# Altium PCB base-32-bit.PcbDoc (part 2 of 3)
Units mil, origin at the board's own origin, x right, y up, seen from the top; angles counter-clockwise.
Board outline 1400 x 1750 mil, 6 copper layers (TOP01, GND02, SIG03, SIG04, PWR05, BOTT06), stack 52.421 mil thick; 71 components, 133 nets, 544 pads, 405 vias.
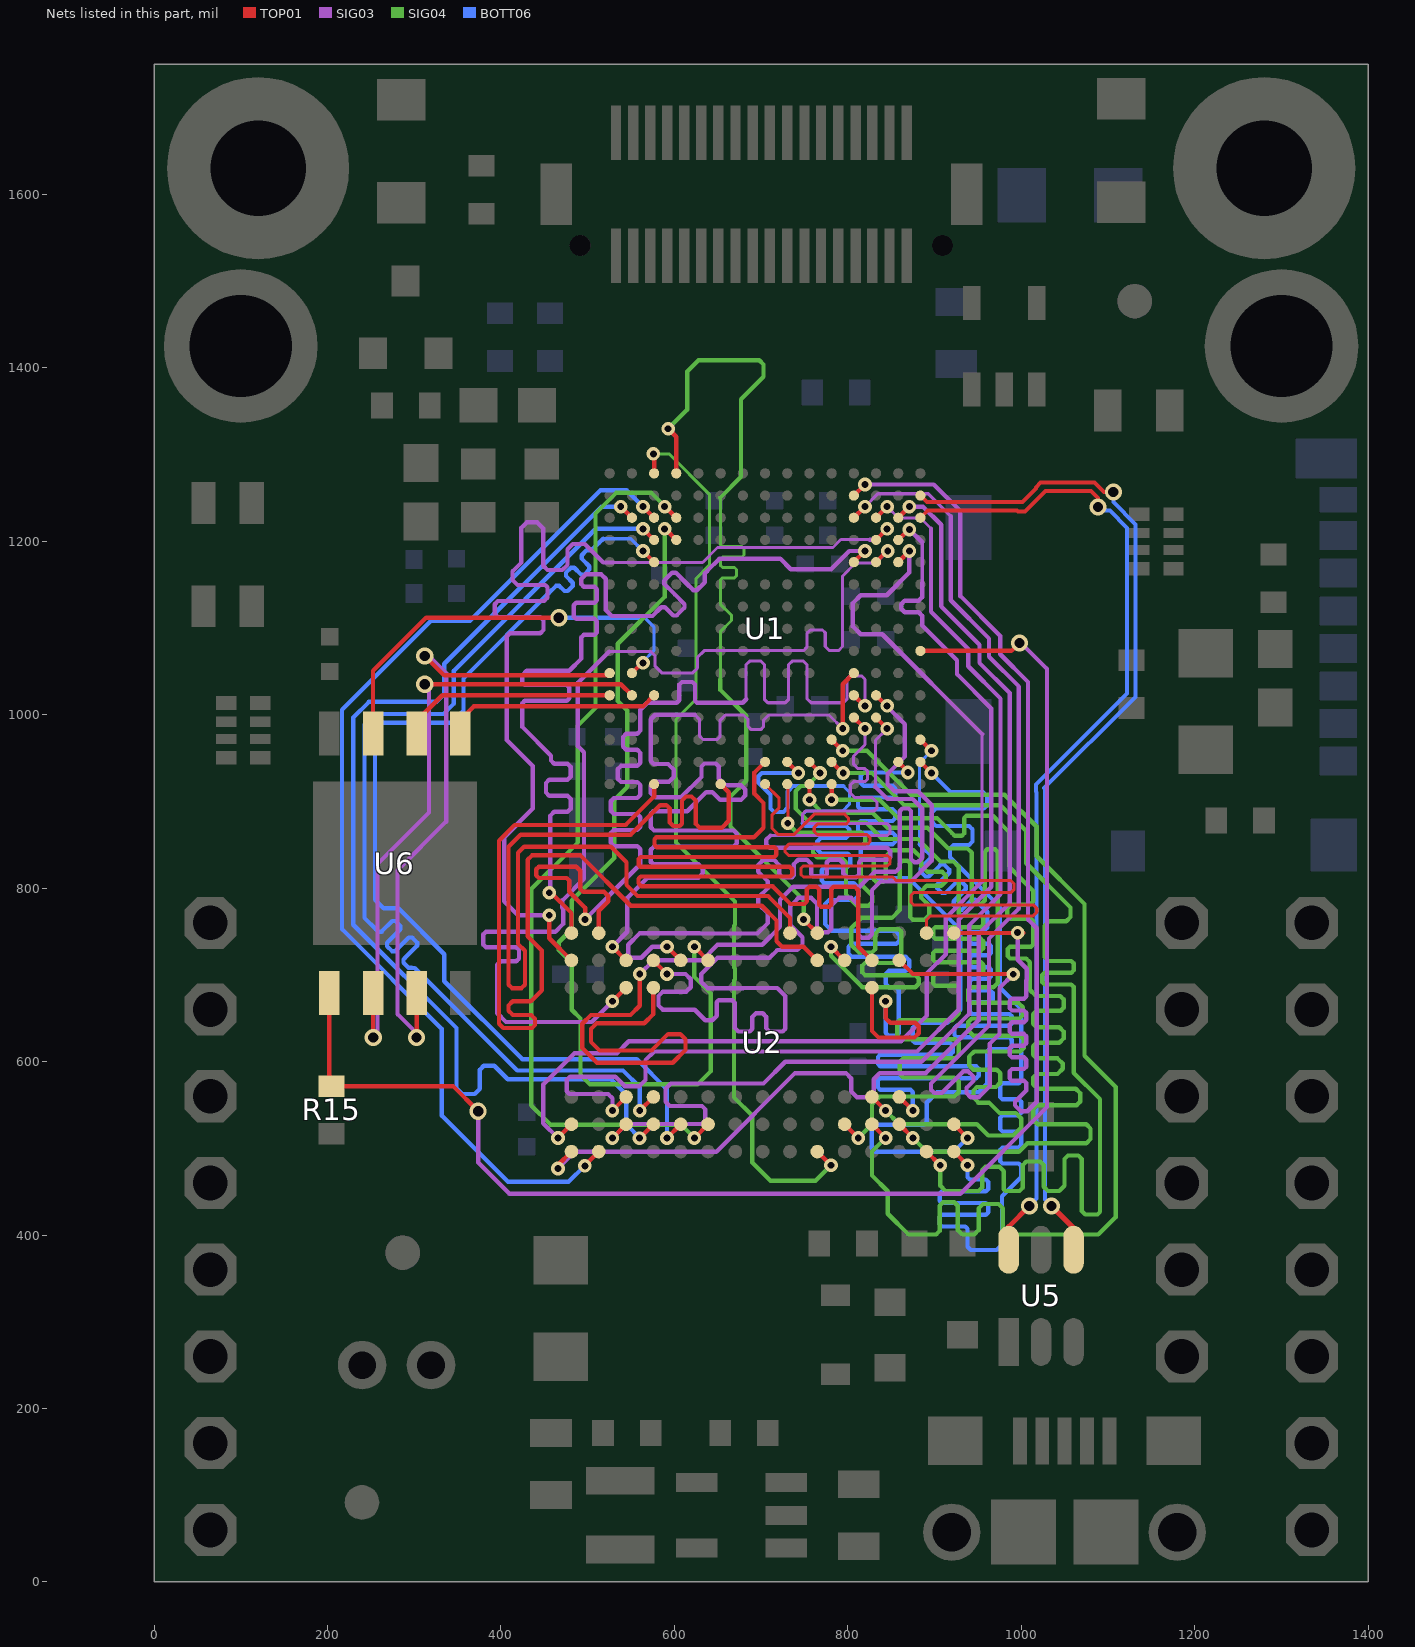
[diagram p6: the nets of this part, all layers, seen from the top]

## Via types
v1: diameter 15.75, hole 7.87, TOP01 to BOTT06, tented both sides, 184 vias
v2: diameter 19.68, hole 11.81, TOP01 to BOTT06, tented both sides, 168 vias
v3: diameter 23.62, hole 15.75, TOP01 to BOTT06, tented both sides, 37 vias
v4: diameter 18/18/18/18 (per signal layer), hole 10, TOP01 to BOTT06, tented both sides, 16 vias

## Nets (pads, with @x,y where several pads share a name; then routed paths per layer and width w, separated by ;. In a path a pad name is that pad's centre, name@x,y a point inside that pad or via, vN(x,y) a via of type N, cw(c..) or ccw(c..) an arc to the next point about the centre after c; other vN are vias at no path point) (continued)
DRAM_D2: U1.B12 U2.R9 | length 1315.2
  TOP01 w5: U1.B12@806.9,1252.6 v1(819.69,1265.41) ; U2.R9@922.24,748.19 1002.26,748.19 1001.76,748.69 v1(995.76,748.69)
  SIG03 w5: v1(819.69,1265.41) 899.04,1265.41 929.76,1234.69 929.76,1136.69 975.76,1090.69 975.76,1069.69 1007.76,1037.69 1007.76,763.69 1017.76,753.69 1017.76,553.69 1006.76,542.69 999.53,542.69 992.76,549.46 992.76,553.69 1005.76,566.69 1005.76,575.21 1003.06,577.91 989.21,577.91 986.51,580.61 986.51,588.71 989.21,591.41 1003.06,591.41 1005.76,594.11 1005.76,602.21 1003.06,604.91 989.21,604.91 986.51,607.62 986.51,615.72 989.21,618.42 1003.06,618.42 1005.76,621.12 1005.76,629.22 1003.06,631.92 989.21,631.92 986.51,634.62 986.51,642.73 989.21,645.43 1003.06,645.43 1005.76,648.13 1005.76,656.23 1003.06,658.93 989.21,658.93 986.51,661.63 986.51,669.73 989.21,672.43 1003.06,672.43 1005.76,675.14 1005.76,685.94 1005.76,692.69 1005.76,693.95 1006.13,694.32 1006.13,707.06 995.76,717.43 v1(995.76,748.69)
DRAM_D3: U1.C12 U2.N8 | length 1267.1
  TOP01 w5: U1.C12@806.9,1227.01 v1(819.7,1239.81) ; U2.N8@859.25,716.69 874.99,700.95 v1@989.76,700.95
  SIG03 w3.5: v1(819.7,1239.81) 834.58,1254.69 892.76,1254.69 918.63,1228.82
  SIG03 w5: 918.63,1228.82 918.63,1131.82 962.76,1087.69 962.76,1066.69 997.16,1032.29 997.16,776.34 962.76,741.94 962.76,641.69 895.76,574.69 895.76,567.69 899.76,563.69 908.16,563.69 933.16,588.69 938.76,588.69 944.76,582.69 944.76,577.69 936.76,569.69 936.76,563.69 941.76,558.69 950.76,558.69 963.76,571.69 963.76,620.69 974.76,631.69 974.76,684.69 v1(990.76,700.69)
DRAM_D4: U1.R8 U2.P9 | length 1320.1
  TOP01 w3.5: U1.R8@704.53,919.92 720.76,903.69 720.76,892.69 712.76,884.69 712.76,868.69 719.89,861.56 737.63,861.56 761.76,885.69 795.76,885.69 800.76,880.69 800.76,876.69 797.76,873.69 764.76,873.69 761.26,870.19 761.26,865.19 764.76,861.69 821.76,861.69 825.76,857.69 825.76,853.69 822.76,850.69 732,850.69 727.76,846.45 727.76,841.69 731.76,837.69 845.76,837.69 848.76,834.69 848.76,828.69 845.76,825.69 748.76,825.69 745.76,822.69 745.76,815.69 748.76,812.69 851.76,812.69 855.76,808.69 987.76,808.69 991.76,804.69 991.76,798.69 987.76,794.69 875.76,794.69 872.76,791.69 872.76,783.69 875.76,780.69 1013.76,780.69 1017.76,776.69 1017.76,772.19 1013.26,767.69 894.76,767.69 890.75,763.68 U2.P9@890.75,748.19
DRAM_D5: U1.P8 U2.M8 | length 1317.8
  TOP01 w5: U1.P8@704.54,945.51 692.23,933.2 692.23,908.7 702.76,898.18 702.76,869.69 691.51,858.44 579.11,858.44 577.06,856.38 577.06,849.89 579.76,847.19 715.01,847.19 717.35,844.85 717.35,838.28 715.01,835.94 561.23,835.94 558.76,833.47 558.76,826.63 560.7,824.69 732.76,824.69 735.76,821.69 735.76,815.69 733.51,813.44 561.23,813.44 558.53,810.74 558.53,805.42 561.76,802.19 713.26,802.19 733.76,781.69 749.76,781.69 752.76,784.69 752.76,798.69 755.76,801.69 763.76,801.69 767.02,798.43 767.02,780.69 769.02,778.69 778.76,778.69 780.76,780.69 780.76,798.69 783.76,801.69 807.76,801.69 812.01,797.44 812.01,732.44 U2.M8@827.76,716.69
DRAM_D6: U1.P9 U2.M7 | length 1232.7
  TOP01 w5: U1.P9@730.13,945.51 v1(742.94,932.72) ; U2.M7@827.76,685.2 827.76,635.19 835.26,627.69 876.76,627.69 881.76,632.69 881.76,640.69 877.76,644.69 848.76,644.69 843.51,649.94 v1(843.51,669.45)
  BOTT06 w3.5: 747.76,874.69 747.76,884.69 751.76,888.69 793.76,888.69 801.76,896.69 801.76,910.69 794.76,917.69
  BOTT06 w5: v1(742.94,932.72) 700.79,932.72 696.76,928.69 696.76,921.69 710.76,907.69 710.76,891.69 714.76,887.69 725.2,887.69 725.32,887.82 725.81,887.82 730.76,892.76 730.76,911.69 736.76,917.69 794.76,917.69 ; 747.76,874.69 750.76,871.69 797.76,871.69 801.76,867.69 801.76,861.69 797.76,857.69 768.76,857.69 764.76,853.69 764.76,844.69 769.76,839.69 799.76,839.69 802.76,836.69 802.76,827.69 798.76,823.69 772.76,823.69 769.76,820.69 769.76,808.69 772.76,805.69 806.76,805.69 812.04,800.41 812.04,790.97 807.32,786.25 778.32,786.25 773.76,781.69 773.76,758.69 781.76,750.69 854.76,750.69 859.76,745.69 859.76,739.69 855.76,735.69 804.01,735.69 800.76,732.44 800.76,724.69 804.76,720.69 866.76,720.69 870.76,716.69 870.76,708.69 866.76,704.69 847.51,704.69 843.51,700.69 843.51,689.69 847.51,685.69 855.76,685.69 858.76,682.69 858.76,632.69 855.76,629.69 846.94,629.69 843.51,633.12 v1(843.51,669.45)
DRAM_D7: U1.R9 U2.L8 | length 1266.9
  TOP01 w3.5: v1(730.76,874.69) U1.R9@730.76,919.28
  TOP01 w5: U1.R9@730.12,919.92 U1.R9@730.76,919.28 ; v1(780.51,732.44) U2.L8@796.26,716.69
  SIG04 w5: v1(730.76,874.69) 741.76,863.69 816.02,863.69 820.02,859.69 820.02,851.95 817.76,849.69 763.76,849.69 759.76,845.69 759.76,840.69 764.76,835.69 791.76,835.69 797.76,829.69 797.76,792.69 810.76,779.69 823.76,779.69 828.13,784.06 828.13,791.32 814.76,804.69 814.76,832.69 817.76,835.69 827.76,835.69 829.76,833.69 829.76,810.21 832.89,807.08 841.15,807.08 843.5,809.43 843.5,836.43 850.76,843.69 875.76,843.69 884.76,834.69 884.76,825.69 891.76,818.69 908.76,818.69 912.76,814.69 912.76,807.69 907.76,802.69 890.76,802.69 884.76,796.69 884.76,788.69 893.76,779.69 893.76,768.69 888.76,763.69 874.76,763.69 871.76,766.69 871.76,828.69 868.76,831.69 862.76,831.69 859.76,828.69 859.76,774.69 850.76,765.69 815.76,765.69 803.76,753.69 803.76,734.69 812.76,725.69 827.76,725.69 831.76,729.69 831.76,747.69 836.76,752.69 858.76,752.69 861.39,750.06 861.39,720.32 854.76,713.69 819.76,713.69 816.76,710.69 816.76,702.69 819.76,699.69 877.76,699.69 881.76,695.69 881.76,689.69 877.76,685.69 816.76,685.69 780.51,721.94 v1(780.51,732.44)
DRAM_D8: U1.P10 U2.L2 | length 1305.5
  TOP01 w5: U1.P10@755.72,945.51 v1@768.53,932.72 ; U2.L2@796.26,527.72 v1@812.01,511.97
  SIG04 w5: v1(767.83,932.72) 752.81,917.69 745.76,917.69 739.76,911.69 739.76,891.69 755.76,875.69 820.76,875.69 839.76,856.69 880.76,856.69 906.76,830.69 921.76,830.69 927.76,824.69 927.76,771.17 930.46,768.47 953.51,768.47 956.21,765.76 956.21,757.66 953.51,754.96 927.76,754.96 901.01,754.96 898.31,752.26 898.31,744.16 901.01,741.46 927.76,741.46 953.51,741.46 956.21,738.76 956.21,730.65 953.51,727.95 927.76,727.95 901.01,727.95 898.31,725.25 898.31,717.15 901.01,714.45 927.76,714.45 953.51,714.45 956.21,711.75 956.21,703.65 953.51,700.95 927.76,700.95 901.01,700.95 898.31,698.24 898.31,690.14 901.01,687.44 925.06,687.44 927.76,684.74 927.76,680.69 927.76,655.69 919.76,647.69 859.76,647.69 856.76,644.69 856.76,630.69 861.76,625.69 923.76,625.69 927.76,621.69 927.76,607.69 923.76,603.69 863.76,603.69 859.76,599.69 859.76,585.69 863.76,581.69 922.76,581.69 927.76,576.69 927.76,564.69 922.76,559.69 836.76,559.69 827.76,550.69 827.76,527.72 v1(812.01,511.97)
DRAM_D9: U1.R10 U2.M3 | length 1248.5
  TOP01 w5: v1(755.73,901.82) U1.R10@755.72,919.92 ; U2.M3@827.76,559.21 v1(843.5,543.46)
  SIG04 w5: v1(755.73,901.82) 770.86,886.69 828.76,886.69 845.76,869.69 891.76,869.69 915.76,845.69 937.99,845.69 942.76,840.92 942.76,785.69 946.76,781.69 953.76,781.69 957.76,785.69 957.76,841.69 960.76,844.69 969.76,844.69 972.76,841.69 972.76,690.69 967.76,685.69 941.76,685.69 938.76,682.69 938.76,670.45 941.52,667.69 996.76,667.69 1001.76,662.69 1001.76,653.69 997.76,649.69 942.76,649.69 938.76,645.69 938.76,635.69 944.76,629.69 998.76,629.69 1002.76,625.69 1002.76,615.69 998.76,611.69 945.76,611.69 939.76,605.69 939.76,595.69 944.76,590.69 971.76,590.69 975.76,586.69 975.76,575.69 970.76,570.69 948.76,570.69 944.76,566.69 944.76,558.43 950.5,552.69 962.76,552.69 974.76,540.69 993.76,540.69 999.76,534.69 999.76,523.69 990.76,514.69 961.76,514.69 948.76,527.69 859.27,527.69 v1(843.5,543.46)
DRAM_D10: U1.N11 U2.M2 | length 1292.8
  TOP01 w5: U1.N11@781.29,971.1 v1(794.09,958.3) ; U2.M2@827.76,527.72 v1(843.5,511.97)
  SIG04 w5: v1(794.09,958.3) 822.15,958.3 872.76,907.69 980.76,907.69 1017.76,870.69 1017.76,836.69 1072.76,781.69 1072.76,619.69 1072.76,614.14 1072.76,606.69 1108.76,570.69 1108.76,420.69 1088.76,400.69 983.76,400.69 978.76,405.69 978.76,430.69 973.76,435.69 955.76,435.69 950.76,430.69 950.76,405.69 945.76,400.69 931.76,400.69 926.76,405.69 926.76,433.69 922.76,437.69 909.76,437.69 905.76,433.69 905.76,404.69 901.76,400.69 869.76,400.69 845.94,424.51 845.94,450.51 827.76,468.69 827.76,496.23 v1(843.5,511.97)
DRAM_D11: U1.P11 U2.P1 | length 1286.7
  TOP01 w5: U1.P11@781.31,945.51 794.12,932.72 v1(794.78,932.72) ; U2.P1@890.75,496.22 v1(906.49,480.47)
  SIG04 w5: v1(794.78,932.72) 827.73,932.72 864.76,895.69 975.76,895.69 1005.76,865.69 1005.76,828.69 1056.76,777.69 1056.76,766.69 1051.76,761.69 1031.76,761.69 1026.76,756.69 1026.76,720.64 1031.46,715.94 1057.59,715.94 1060.29,713.24 1060.29,705.14 1057.59,702.43 1028.76,702.43 1026.93,702.43 1024.22,699.73 1024.22,691.63 1026.93,688.93 1028.76,688.93 1057.59,688.93 1060.29,686.23 1060.29,587.16 1090.76,556.69 1090.76,426.69 1087.76,423.69 1073.76,423.69 1069.76,427.69 1069.76,487.69 1065.76,491.69 1053.76,491.69 1049.76,487.69 1049.76,456.77 1043.76,450.77 1030.68,450.77 1025.76,455.69 1025.76,480.69 1021.76,484.69 1005.76,484.69 1001.76,480.69 1001.76,454.69 997.84,450.77 981.68,450.77 979.76,452.69 979.76,473.69 974.76,478.69 958.76,478.69 954.76,474.69 954.76,454.77 950.76,450.77 912.68,450.77 906.49,456.96 v1(906.49,480.47)
DRAM_D12: U1.R11 U2.N2 | length 1308.5
  TOP01 w5: v1(781.32,901.82) U1.R11@781.31,919.92 ; U2.N2@859.25,527.72 v1(875,511.97)
  SIG04 w5: v1(781.32,901.82) 836.63,901.82 857.76,880.69 902.8,880.69 920.5,862.99 923.2,860.29 931.3,860.29 934,862.99 934,880.69 936.7,883.39 944.8,883.39 967.06,883.39 985.76,864.69 985.76,824.69 1013.76,796.69 1013.76,784.69 1009.76,780.69 987.76,780.69 983.76,776.69 983.76,768.69 987.76,764.69 1010.76,764.69 1013.76,761.69 1013.76,752.69 1013.76,745.94 1013.76,735.13 1011.06,732.43 986.96,732.43 984.26,729.73 984.26,721.63 986.96,718.93 1005.52,718.93 1009.76,714.69 1009.76,682.69 1016.76,675.69 1044.76,675.69 1048.76,671.69 1048.76,662 1045.45,658.69 1017.76,658.69 1013.76,654.69 1013.76,643.69 1017.76,639.69 1043.76,639.69 1048.76,634.69 1048.76,626.69 1043.76,621.69 1017.76,621.69 1013.76,617.69 1013.76,607.69 1017.76,603.69 1041.76,603.69 1047.76,597.69 1047.76,591.69 1041.76,585.69 1017.76,585.69 1013.76,581.69 1013.76,573.69 1018.76,568.69 1062.76,568.69 1067.76,563.69 1067.76,553.69 1063.76,549.69 1017.76,549.69 1013.76,545.69 1013.76,532.69 1018.76,527.69 1074.76,527.69 1079.76,522.69 1079.76,510.69 1074.76,505.69 1006.76,505.69 996.91,495.84 891.13,495.84 v1(875,511.97)
DRAM_D13: U1.P15 U2.R1 | length 1270.6
  TOP01 w5: U1.P15@883.67,945.51 v1(896.45,932.71) ; U2.R1@922.24,496.22 v1(937.99,480.47)
  BOTT06 w5: v1(896.45,932.71) 918.48,910.69 955.76,910.69 960.76,905.69 960.76,895.69 956.76,891.69 901.45,891.69 896.45,886.69 896.45,877 901.76,871.69 939.76,871.69 943.76,867.69 943.76,853.68 939.77,849.69 921.76,849.69 917.76,845.69 917.76,835.69 975.39,778.06 975.39,685.06 999.76,660.69 999.76,602.69 999.76,593.44 999.76,577.72 996.99,574.94 978.29,574.94 975.51,572.16 975.51,559.22 978.29,556.44 996.99,556.44 999.76,553.66 999.76,540.72 996.99,537.94 978.29,537.94 975.51,535.16 975.51,522.22 978.29,519.44 996.99,519.44 999.76,516.66 999.76,503.72 996.99,500.94 978.29,500.94 975.51,498.16 975.51,485.22 978.29,482.44 996.99,482.44 999.76,479.66 999.76,466.69 977.76,444.69 977.76,388.69 971.76,382.69 941.76,382.69 937.99,386.46 937.99,398.69 937.99,407.22 935.29,409.92 908.46,409.92 905.76,412.62 905.76,420.73 908.46,423.43 937.99,423.43 959.17,423.43 961.87,426.13 961.87,434.23 959.17,436.93 937.99,436.93 908.46,436.93 905.76,439.63 905.76,447.73 908.46,450.43 937.99,450.43 959.17,450.43 961.87,453.14 961.87,461.24 959.17,463.94 940.69,463.94 937.99,466.64 937.99,470.69 v1(937.99,480.47)
DRAM_D14: U1.P14 U2.N3 | length 1219.7
  TOP01 w5: U1.P14@858.08,945.51 869.21,934.37 v1(869.21,933.23) ; U2.N3@859.25,559.21 v1(875,543.46)
  BOTT06 w5: v1(869.21,933.23) 818.3,933.23 814.76,929.69 814.76,924.69 814.76,921.31 818.14,917.94 851.42,917.94 854.79,914.56 854.79,907.81 851.42,904.43 814.76,904.43 811.76,901.43 811.76,893.93 814.76,890.93 851.42,890.93 854.79,887.55 854.79,880.8 851.42,877.43 814.76,877.43 811.76,874.42 811.76,866.92 814.76,863.92 851.42,863.92 854.79,860.55 854.79,853.79 851.42,850.42 818.14,850.42 814.76,847.04 814.76,826.69 814.76,814.69 817.76,811.69 869.76,811.69 929.76,751.69 929.76,659.69 914.76,644.69 880.76,644.69 875,638.93 875,636.69 875,634.96 875,624.16 877.7,621.46 918.04,621.46 920.74,618.76 920.74,610.65 918.04,607.95 875,607.95 837.41,607.95 834.71,605.25 834.71,597.15 837.41,594.45 875,594.45 948.06,594.45 950.76,591.75 950.76,583.65 948.06,580.95 875,580.95 837.41,580.95 834.71,578.24 834.71,570.14 837.41,567.44 872.3,567.44 875,564.74 875,560.69 v1(875,543.46)
DRAM_D15: U1.N15 U2.R2 | length 1239.3
  TOP01 w5: U1.N15@883.67,971.1 v1(896.45,958.3) ; U2.R2@922.24,527.72 v1(937.99,511.97)
  BOTT06 w3.5: 882.83,850.62 882.83,944.68 v1(896.45,958.3)
  BOTT06 w5: 882.83,850.62 887.61,845.84 895.24,838.21 895.24,834.39 883.78,822.92 883.78,819.1 889.51,813.37 893.33,813.37 906.7,826.75 907.18,827.23 911,827.23 916.73,821.5 916.73,817.68 916.25,817.2 902.88,803.83 902.88,800.01 908.61,794.28 912.43,794.28 925.8,807.65 926.28,808.13 930.1,808.13 935.83,802.4 935.83,798.58 935.35,798.1 921.98,784.73 921.98,780.91 927.7,775.18 931.52,775.18 942.99,786.64 946.81,786.64 953.76,779.69 960.76,772.69 960.76,754.43 955.76,749.43 943.2,749.43 940.5,746.73 940.5,738.63 943.2,735.93 960.76,735.93 962.32,735.93 965.02,733.23 965.02,725.13 962.32,722.43 960.76,722.43 943.2,722.43 940.5,719.73 940.5,711.62 943.2,708.92 960.76,708.92 962.32,708.92 965.02,706.22 965.02,698.12 962.32,695.42 960.76,695.42 943.2,695.42 940.5,692.72 940.5,684.62 943.2,681.91 960.76,681.91 964.32,681.91 967.02,679.21 967.02,671.11 964.32,668.41 960.76,668.41 943.2,668.41 940.5,665.71 940.5,657.61 943.2,654.91 960.76,654.91 986.32,654.91 989.02,652.21 989.02,644.1 986.32,641.4 960.76,641.4 925.73,641.4 923.03,638.7 923.03,630.6 925.73,627.9 960.76,627.9 986.32,627.9 989.02,625.2 989.02,617.1 986.32,614.4 963.46,614.4 960.76,611.69 960.76,595.89 960.76,574.69 950.76,564.69 902.76,564.69 891.12,553.05 891.12,531.05 887.41,527.34 832.41,527.34 827.38,522.31 827.38,500.07 831.61,495.84 921.86,495.84 v1(937.99,511.97)
DRAM_D16: U1.M12 U2.E8 | length 1265.4
  TOP01 w5: v1(591.53,732.44) U2.E8@607.28,716.69 ; U1.M12@806.9,996.69 v1(819.68,983.89)
  SIG03 w3.5: 710.76,860.69 845.76,860.69 848.76,863.69 848.76,870.69 844.76,874.69 750.02,874.69 747.76,876.95 747.76,885.44 751.01,888.69 829.76,888.69 833.76,892.69 833.76,898.69 827.76,904.69 807.76,904.69 802.76,909.69 802.76,918.77 806.68,922.69 819.76,922.69 822.76,925.69 822.76,934.61 819.68,937.69 811.76,937.69 806.76,942.69 806.76,952.42 819.68,965.34 v1(819.68,983.89)
  SIG03 w5: v1(591.53,732.44) 574.51,732.44 561.76,719.69 549.76,719.69 546.76,722.69 546.76,734.69 559.88,747.81 629.4,747.81 629.52,747.69 695.76,747.69 707.76,759.69 707.76,770.69 696.76,781.69 696.76,789.02 707.76,800.02 707.76,807.69 696.76,818.69 696.76,826.69 702.76,832.69 714.76,832.69 720.76,826.69 720.76,816.69 724.76,812.69 735.76,812.69 737.76,814.69 737.76,827.69 742.76,832.69 752.76,832.69 757.76,827.69 757.76,815.69 759.76,813.69 773.76,813.69 775.76,815.69 775.76,829.69 778.76,832.69 790.76,832.69 794.76,828.69 794.76,816.69 798.76,812.69 809.76,812.69 812.76,815.69 812.76,829.69 815.76,832.69 845.76,832.69 848.76,835.69 848.76,842.69 844.76,846.69 709.76,846.69 705.76,850.69 705.76,855.69 710.76,860.69
DRAM_D17: U1.M13 U2.D7 | length 1265.3
  TOP01 w5: v1(560.04,700.95) 560.04,664.28 549.45,653.69 503.76,653.69 493.76,643.69 493.76,615.69 510.76,598.69 598.18,598.69 612.76,613.27 612.76,625.69 606.76,631.69 592.76,631.69 573.76,612.69 513.76,612.69 503.76,622.69 503.76,637.69 510.13,644.06 565.13,644.06 575.79,654.72 U2.D7@575.79,685.2 ; U1.M13@832.49,996.69 v1(845.27,983.89)
  SIG03 w3.5: 831.76,916.69 831.76,970.38 v1(845.27,983.89)
  SIG03 w5: v1(560.04,700.95) 575.78,716.69 631.76,716.69 649.76,734.69 701.2,734.69 721.76,755.25 721.76,786.47 736.98,801.69 813.76,801.69 830.76,818.69 854.76,818.69 859.76,823.69 859.76,888.69 862.76,891.69 869.88,891.69 872.76,888.81 872.76,833.69 876.76,829.69 880.62,829.69 885.76,834.83 885.76,891.69 874.76,902.69 845.76,902.69 831.76,916.69
DRAM_D18: U1.L13 U2.D8 | length 1271.4
  TOP01 w5: U2.D8@575.79,716.69 v1(591.54,700.94) ; U1.L13@832.49,1022.28 844.62,1010.15 v1(845.29,1010.15)
  SIG03 w3.5: v1@845.29,1009.49 v1(845.29,1010.15)
  SIG03 w5: v1(591.54,700.94) 612.76,700.94 618.76,694.94 618.76,685.69 613.76,680.69 586.76,680.69 581.76,675.69 581.76,664.69 586.76,659.69 623.56,659.69 635.56,647.69 643.76,647.69 648.76,652.69 648.76,668.45 651,670.69 666.76,670.69 669.76,667.69 669.76,638.69 673.76,634.69 686.76,634.69 689.76,637.69 689.76,651.44 694.01,655.69 701.76,655.69 705.76,651.69 705.76,638.69 709.76,634.69 724.76,634.69 727.76,637.69 727.76,675.69 718.63,684.82 679.66,684.82 679.53,684.69 638.19,684.69 631.01,691.87 631.01,700.94 649.76,719.69 709.76,719.69 718.76,728.69 741.76,728.69 747.76,734.69 747.76,743.45 733.64,757.57 733.64,779.31 740.76,786.44 740.76,786.69 742.76,788.69 757.76,788.69 764.38,782.07 764.38,753.14 767.83,749.69 ; 767.83,749.07 777.14,749.07 780.89,752.82 780.89,779.82 789.76,788.69 803.76,788.69 811.76,780.69 811.76,746.69 815.76,742.69 823.76,742.69 827.76,746.69 827.76,797.69 837.76,807.69 872.76,807.69 896.76,831.69 896.76,895.69 880.76,911.69 853.76,911.69 845.76,919.69 845.76,931.69 865.76,951.69 865.76,989.01 v1@845.29,1009.49
DRAM_D19: U1.L12 U2.B9 | length 1272.7
  TOP01 w5: v1(497.05,763.94) 497.05,777.4 478.76,795.69 478.76,808.69 475.76,811.69 443.76,811.69 440.76,814.69 440.76,821.69 443.76,824.69 486.76,824.69 491.34,820.11 491.34,799.11 494.76,795.69 518.76,795.69 523.76,790.69 523.76,784.69 512.8,773.73 U2.B9@512.8,748.19 ; U1.L12@806.9,1022.28 819.03,1010.15 v1(819.7,1010.15)
  SIG03 w3.5: 682.76,1017.69 682.76,1057.69 686.76,1061.69 699.76,1061.69 703.76,1057.69 703.76,1017.69 707.76,1013.69 727.76,1013.69 731.76,1017.69 731.76,1057.69 735.76,1061.69 748.76,1061.69 752.76,1057.69 752.76,1018.69 757.76,1013.69 794.76,1013.69 798.76,1017.69 798.76,1040.69 802.76,1044.69 815.76,1044.69 819.7,1040.76 v1(819.7,1010.15)
  SIG03 w5: v1(497.05,763.94) 549.78,816.67 554.22,821.11 560.76,827.65 560.76,829.9 560.76,844.71 557.06,848.41 530.21,848.41 526.51,852.11 526.51,863.21 530.21,866.91 557.06,866.91 560.76,870.61 560.76,881.71 557.06,885.41 530.21,885.41 526.51,889.12 526.51,900.22 530.21,903.92 557.06,903.92 560.76,907.62 560.76,918.72 557.06,922.42 538.46,922.42 534.76,926.12 534.76,937.23 538.46,940.93 557.06,940.93 560.76,944.63 560.76,955.73 557.06,959.43 544.45,959.43 540.75,963.13 540.75,974.23 544.45,977.93 557.06,977.93 560.76,981.64 560.76,996.44 560.76,1005.69 568.76,1013.69 602.76,1013.69 605.76,1016.69 605.76,1034.69 608.76,1037.69 620.76,1037.69 623.76,1034.69 623.76,1015.96 626.03,1013.69 678.76,1013.69 682.76,1017.69
DRAM_D20: U1.K12 U2.C8 | length 1281.2
  TOP01 w5: v1(528.54,732.44) U2.C8@544.29,716.69 ; v1(794.1,983.89) 794.1,1035.06 U1.K12@806.9,1047.87
  SIG03 w3.5: 623.69,999.76 628.76,994.69 628.76,975.69 633.02,971.43 649.5,971.43 652.76,974.69 652.76,993.69 658.76,999.69 679.76,999.69 684.76,994.69 684.76,986.69 688.76,982.69 699.43,982.69 702.63,985.9 702.63,993.56 708.76,999.69 778.3,999.69 v1(794.1,983.89)
  SIG03 w5: v1(528.54,732.44) 545.76,749.66 545.76,788.69 568.76,811.69 627.76,811.69 632.76,816.69 632.76,822.69 627.76,827.69 575.76,827.69 572.76,830.69 ; 572.76,829.69 572.76,844.23 576.46,847.93 668.31,847.93 672.01,851.64 672.01,862.74 668.31,866.44 576.46,866.44 572.76,870.14 572.76,875.69 572.76,885.69 575.76,888.69 614.76,888.69 636.76,910.69 643.76,910.69 652.76,901.69 676.76,901.69 681.76,906.69 681.76,913.69 676.76,918.69 658.76,918.69 651.19,926.26 651.19,940.26 647.76,943.69 634.76,943.69 631.18,940.11 631.18,928.11 607.76,904.69 577.76,904.69 572.76,909.69 572.76,918.69 576.76,922.69 593.76,922.69 599.29,928.22 599.29,936.64 592.76,943.16 576.29,943.16 572.76,946.69 572.76,994.69 577.83,999.76 623.69,999.76
DRAM_D21: U1.E12 U2.A9 | length 1264.3
  TOP01 w5: v1@456.76,794.69 457.76,794.69 481.3,771.15 U2.A9@481.3,748.19 ; U1.E12@806.9,1175.83 v1(819.76,1188.69)
  SIG03 w5: v1@456.76,794.69 456.76,883.24 457.76,884.24 461.46,887.94 476.7,887.94 480.4,891.64 480.4,902.74 476.7,906.44 457.76,906.44 455.57,906.44 451.87,910.14 451.87,921.24 455.57,924.94 457.76,924.94 476.7,924.94 480.4,928.64 480.4,939.74 476.7,943.44 461.46,943.44 457.76,947.14 457.76,952.69 424.76,985.69 424.76,1001.69 424.76,1013.16 427.54,1015.94 475.91,1015.94 478.69,1018.72 478.69,1031.66 475.91,1034.44 427.54,1034.44 424.76,1037.22 424.76,1043.69 424.76,1045.69 429.76,1050.69 478.76,1050.69 492.76,1064.69 492.76,1074.69 492.76,1089.16 495.54,1091.94 507.87,1091.94 510.65,1094.72 510.65,1107.66 507.87,1110.44 492.76,1110.44 486.67,1110.44 483.89,1113.22 483.89,1126.16 486.67,1128.94 492.76,1128.94 507.87,1128.94 510.65,1131.72 510.65,1144.66 507.87,1147.44 495.54,1147.44 492.76,1150.22 492.76,1156.69 497.76,1161.69 515.76,1161.69 520.76,1156.69 520.76,1120.69 527.76,1113.69 574.76,1113.69 584.26,1123.19 585.01,1123.94 588.94,1123.94 598.62,1114.26 602.55,1114.26 611.71,1123.41 611.71,1127.34 600.06,1138.99 588.41,1150.64 588.41,1154.56 597.56,1163.72 601.49,1163.72 613.14,1152.07 621.87,1143.34 625.79,1143.34 634.95,1152.5 634.95,1162.88 637.57,1165.5 637.71,1165.5 651.9,1179.69 722.22,1179.69 734.22,1167.69 780.54,1167.69 801.54,1188.69 v1(819.76,1188.69)
  other v1: 455.76,794.69
DRAM_D22: U1.E13 U2.C7 | length 1267.4
  TOP01 w5: v1(528.54,669.45) U2.C7@544.29,685.2 ; U1.E13@832.49,1175.83 845.29,1188.62 v1(845.94,1188.62)
  SIG03 w3.5: 524.89,1072.82 572.63,1072.82 577.76,1067.69 577.76,1055.69 585.25,1048.2 621.27,1048.2 626.63,1053.56 626.63,1066.13 634.32,1073.82 748.76,1073.82 752.76,1077.82 752.76,1093.69 756.76,1097.69 770.76,1097.69 773.94,1094.51 773.94,1078.64 778.76,1073.82 789.12,1073.82 793.76,1078.46 793.76,1159.69 808.9,1174.83 832.15,1174.83 v1(845.94,1188.62)
  SIG03 w5: 524.89,1072.82 488.76,1036.69 488.76,963.69 495.76,956.69 495.76,810.69 470.89,785.82 470.89,777.31 472.71,775.48 471.68,774.45 471.68,758.61 462.76,749.69 382.76,749.69 379.76,746.69 379.76,734.69 382.76,731.69 417.76,731.69 420.76,728.69 420.76,718.69 417.76,715.69 399.76,715.69 395.68,711.61 395.68,655.77 405.76,645.69 504.78,645.69 v1(528.54,669.45)
DRAM_D23: U1.D13 U2.A8 | length 1302.5
  TOP01 w5: v1(455.76,768.69) 455.76,742.23 U2.A8@481.3,716.69 ; U1.D13@832.49,1201.42 v1(845.28,1214.22)
  SIG03 w3.5: 529.57,1175.5 632.57,1175.5 649.76,1192.69 782.76,1192.69 791.89,1201.82 825.2,1201.82 ; 832.81,1201.75 v1(845.28,1214.22)
  SIG03 w5: v1(455.76,768.69) 419.76,768.69 403.76,784.69 403.76,858.69 436.76,891.69 436.76,940.69 406.76,970.69 406.76,1090.23 410.46,1093.93 445.38,1093.93 449.08,1097.63 449.08,1108.73 445.38,1112.43 396.46,1112.43 392.76,1116.13 392.76,1127.23 396.46,1130.93 449.76,1130.93 453.76,1134.93 453.76,1146.69 451.01,1149.44 419.01,1149.44 413.26,1155.19 413.26,1165.19 423.57,1175.5 423.57,1215.5 429.76,1221.69 441.76,1221.69 448.76,1214.69 448.76,1171.69 453.76,1166.69 470.76,1166.69 476.76,1172.69 476.76,1190.69 482.76,1196.69 496.76,1196.69 517.95,1175.5 529.57,1175.5 ; 825.2,1201.82 825.26,1201.75 832.81,1201.75
DRAM_D24: U1.E14 U2.A2 | length 1268.5
  TOP01 w5: v1@465.55,511.97 465.65,512.07 U2.A2@481.3,527.72 ; U1.E14@858.08,1175.83 v1(870.88,1188.61)
  SIG03 w3.5: 954.76,807.69 954.76,977.69
  SIG03 w5: v1@465.76,510.69 465.76,511.76 448.76,528.76 448.76,573.69 484.76,609.69 533.76,609.69 547.39,623.32 861.39,623.32 890.76,652.69 890.76,701.45 912.76,723.45 912.76,765.69 954.76,807.69 ; v1(870.88,1188.61) 870.88,1163.81 844.76,1137.69 814.76,1137.69 805.76,1128.69 805.76,1101.69 814.76,1092.69 839.76,1092.69 954.76,977.69
  other v1: 465.76,511.97
DRAM_D25: U1.D14 U2.C3 | length 1279.1
  TOP01 w5: v1(528.54,543.46) U2.C3@544.29,559.21 ; U1.D14@858.08,1201.42 870.21,1213.54 v1(870.88,1213.54)
  SIG03 w3.5: 885.76,1151.69 885.76,1198.66
  SIG03 w5: v1(528.54,543.46) 528.54,557.69 523.54,562.69 478.76,562.69 475.76,565.69 475.76,578.69 479.76,582.69 531.76,582.69 542.76,571.69 559.76,571.69 566.76,578.69 566.76,601.69 576.76,611.69 879.76,611.69 927.76,659.69 927.76,763.82 965.36,801.42 965.36,1007.09 925.76,1046.69 925.76,1062.69 885.76,1102.69 885.76,1113.88 881.71,1117.93 865.56,1117.93 861.51,1121.98 861.51,1127.38 865.56,1131.43 881.71,1131.43 885.76,1135.49 885.76,1144.94 885.76,1151.69 ; v1(870.88,1213.54) 885.76,1198.66
DRAM_D26: U1.C14 U2.A1 | length 1300.9
  TOP01 w5: v1@465.55,480.47 U2.A1@481.3,496.22 ; U1.C14@858.08,1227.01 v1(870.88,1239.79)
  SIG03 w5: v1(465.76,476.69) 484.91,495.84 648.14,495.84 738.99,586.69 797.76,586.69 803.76,580.69 803.76,565.69 810.62,558.83 823.9,558.83 829.76,564.69 829.76,579.69 836.76,586.69 889.76,586.69 950.76,647.69 950.76,746.94 986.56,782.74 986.56,1024.89 951.76,1059.69 951.76,1080.69 907.63,1124.82 907.63,1218.82 886.66,1239.79 v1(870.88,1239.79)
DRAM_D27: U1.C13 U2.C2 | length 1287.6
  TOP01 w5: v1(528.54,511.97) U2.C2@544.29,527.72 ; U1.C13@832.49,1227.01 v1(845.29,1239.8)
  SIG03 w3.5: v1(845.29,1239.8) 858.42,1226.67 883.78,1226.67 895.76,1214.69
  SIG03 w5: v1(528.54,511.97) 544.66,528.09 631.16,528.09 635.76,532.69 635.76,544.69 631.76,548.69 594.76,548.69 589.76,553.69 589.76,568.69 595.76,574.69 702.76,574.69 727.76,599.69 884.76,599.69 939.76,654.69 939.76,756.82 975.96,793.02 975.96,1018.49 938.76,1055.69 938.76,1075.69 895.76,1118.69 895.76,1214.69
DRAM_D28: U1.C3 U2.B1 | length 1219.9
  TOP01 w5: v1@497.04,480.47 U2.B1@512.8,496.22 ; v1(563.79,1239.8) U1.C3@576.58,1227.01
  BOTT06 w5: v1(496.76,479.69) 496.26,479.69 477.89,461.32 408.13,461.32 331.76,537.69 331.76,637.69 216.76,752.69 216.76,1005.69 319.26,1108.19 364.26,1108.19 514.76,1258.69 544.9,1258.69 v1(563.79,1239.8)
DRAM_D29: U1.C2 U2.D2 | length 1242.4
  TOP01 w5: v1(538.18,1239.8) U1.C2@550.99,1227.01 ; v1@560.03,511.97 U2.D2@575.79,527.72
  BOTT06 w5: v1(538.18,1239.8) 515.87,1239.8 334.76,1058.69 334.76,1023.69 325.76,1014.69 247.76,1014.69 229.76,996.69 229.76,757.69 348.76,638.69 348.76,569.69 355.76,562.69 369.76,562.69 375.76,568.69 375.76,590.69 380.26,595.19 392.26,595.19 407.76,579.69 526.76,579.69 544.66,561.79 544.66,527.34 560.31,511.69 v1(559.76,511.69)
DRAM_D30: U1.D3 U2.D3 | length 1220.6
  TOP01 w5: v1(560.03,543.46) U2.D3@575.79,559.21 ; v1(563.79,1214.22) U1.D3@576.58,1201.42
  BOTT06 w5: 296.82,707.81 300.64,707.81 318.26,690.19 418.76,589.69 540.76,589.69 560.03,570.42 v1(560.03,543.46) ; 296.86,707.85 297.19,708.19 ; 297.23,708.22 293.41,708.22 287.68,713.95 287.68,717.77 289.18,719.27 303.34,733.42 303.34,737.24 297.61,742.97 293.79,742.97 279.63,728.82 278.13,727.32 274.32,727.32 268.59,733.05 268.59,736.87 270.08,738.37 284.24,752.52 284.24,756.34 278.51,762.07 274.69,762.07 262.44,749.83 258.62,749.83 255.76,752.69 242.76,765.69 242.76,988.69 254.76,1000.69 333.76,1000.69 345.76,1012.69 345.76,1050.69 509.29,1214.22 v1(563.79,1214.22)
DRAM_D31: U1.E3 U2.E2 | length 1220
  TOP01 w5: v1(563.79,1188.62) U1.E3@576.58,1175.83 ; v1(591.53,511.97) U2.E2@607.28,527.72
  BOTT06 w4: 517.96,1202.89 549.52,1202.89 v1(563.79,1188.62)
  BOTT06 w5: 517.96,1202.89 513.18,1198.11 504.66,1189.59 502.62,1189.59 498.8,1189.59 493.07,1183.86 493.07,1180.04 494.09,1179.02 501.94,1171.17 501.94,1167.35 496.21,1161.62 492.39,1161.62 484.54,1169.47 480.72,1169.47 474.99,1163.74 474.99,1159.92 482.84,1152.07 482.84,1148.25 477.11,1142.52 473.29,1142.52 467.35,1148.46 463.53,1148.46 455.76,1140.69 356.76,1041.69 356.76,1004.84 342.61,990.69 261.76,990.69 254.76,983.69 254.76,786.69 264.76,776.69 281.76,776.69 334.76,723.69 334.76,692.69 424.76,602.69 556.76,602.69 591.53,567.92 v1(591.53,511.97)
DRAM_DQM0: U1.A4 U2.K9 | length 1054.7
  TOP01 w5: v1(592.76,1329.69) 602.17,1320.28 U1.A4@602.17,1278.19 ; v1(749.01,763.94) U2.K9@764.76,748.19
  SIG04 w3.5: 653.01,1040.53 653.01,1095.69 665.76,1108.44 665.76,1114.69 653.01,1127.44 653.01,1139.69 653.01,1145.69 653.01,1155.3 655.41,1157.7 669.29,1157.7 671.69,1160.1 671.69,1167.3 669.29,1169.7 655.41,1169.7 653.01,1172.1 653.01,1179.3 655.41,1181.7 677.96,1181.7 680.36,1184.1 680.36,1191.31 677.96,1193.71 655.41,1193.71 653.01,1196.11 653.01,1201.69 653.01,1250.44
  SIG04 w5: v1(592.76,1329.69) 614.76,1351.69 614.76,1395.69 627.76,1408.69 697.76,1408.69 702.76,1403.69 702.76,1389.69 676.76,1363.69 676.76,1274.19 653.01,1250.44 ; 653.02,1040.52 653.02,1029.65 653.02,1028.43 682.76,998.69 682.76,923.73 664.76,905.73 664.76,870.69 749.01,786.44 v1(749.01,763.94)
DRAM_DQM1: U1.A3 U2.K1 | length 1060.4
  TOP01 w5: v1(575.76,1300.69) 576.58,1299.87 U1.A3@576.58,1278.19 ; U2.K1@764.76,496.22 v1(780.51,480.47)
  SIG04 w3.5: v1(575.76,1300.69) 593.76,1300.69 640.28,1254.17 640.28,1172.21 624.89,1156.82 624.89,1017.82 601.84,994.77 601.84,926.61
  SIG04 w5: 601.84,926.61 601.84,852.61 669.9,784.55 669.9,757.57 668.76,756.43 668.76,708.45 669.9,707.31 669.9,694.57 668.76,693.43 668.76,558.69 689.76,537.69 689.76,483.69 710.76,462.69 762.73,462.69 v1(780.51,480.47)
DRAM_DQM2: U1.D4 U2.F8 | length 1052.8
  TOP01 w5: v1(588.72,1214.22) 589.38,1214.22 U1.D4@602.17,1201.42 ; v1(623.03,732.44) U2.F8@638.78,716.69
  SIG04 w5: v1(588.72,1214.22) 588.72,1135.65 534.76,1081.69 534.76,1015.69 545.76,1004.69 545.76,916.69 530.76,901.69 530.76,834.69 481.68,785.61 481.68,752.61 466.76,737.69 466.76,728.69 481.68,713.77 481.68,659.77 491.76,649.69 491.76,584.69 502.76,573.69 626.76,573.69 641.76,588.69 641.76,678.69 623.03,697.42 v1(623.03,732.44)
DRAM_DQM3: U1.C4 U2.F2 | length 1054.4
  TOP01 w5: v1(588.72,1239.81) 589.38,1239.81 U1.C4@602.17,1227.01 ; v1(623.03,511.97) U2.F2@638.78,527.72
  SIG04 w5: v1(588.72,1239.81) 588.72,1240.46 573.49,1255.69 532.76,1255.69 509.05,1231.98 509.05,1007.69 488.76,987.4 488.76,852.69 434.76,798.69 434.76,549.69 457.11,527.34 607.66,527.34 v1(623.03,511.97)
DRAM_RAS: U1.R6 U2.J9 | length 1122.8
  TOP01 w5: U1.R6@653.35,919.92 662.76,910.51 662.76,877.69 654.76,869.69 629.03,869.69 624.76,873.96 624.76,900.69 619.76,905.69 613.42,905.69 608.76,901.03 608.76,874.17 606.28,871.69 598.76,871.69 594.76,875.69 594.76,891.69 590.76,895.69 583.76,895.69 549.76,861.69 422.76,861.69 408.76,847.69 408.76,688.69 412.76,684.69 423.76,684.69 427.76,688.69 427.76,727.69 419.76,735.69 419.76,840.69 426.76,847.69 526.76,847.69 544.76,829.69 544.76,803.69 557.51,790.94 708.02,790.94 733.27,765.69 U2.J9@733.27,748.19
DRAM_WE: U1.R3 U2.K8 | length 1121
  TOP01 w5: U1.R3@576.58,919.92 576.58,905.51 543.76,872.69 415.76,872.69 397.76,854.69 397.76,643.69 402.76,638.69 435.76,638.69 439.26,642.19 439.26,649.19 434.76,653.69 413.76,653.69 408.76,658.69 408.76,664.69 413.52,669.45 434.52,669.45 447.13,682.06 447.13,728.07 430.76,744.44 430.76,832.69 435.76,837.69 491.76,837.69 549.76,779.69 700.76,779.69 717.76,762.69 717.76,738.69 724.01,732.44 749.01,732.44 U2.K8@764.76,716.69
FLASH_CLK: U1.L1 U6.6 | length 249.2
  TOP01 w5: U6.6@302.96,978.29 302.96,992.89 332.35,1022.28 U1.L1@525.4,1022.28
FLASH_CS: R15.1 U1.J15 U6.1 | length 1731.8
  TOP01 w5: U6.1@202.17,679.08 202.17,583.28 R15.1@213.76,571.69 ; R15.1@204.76,571.69 R15.1@213.76,571.69 ; v2(373.76,542.69) 344.76,571.69 R15.1@213.76,571.69 ; U1.J15@883.67,1073.47 988.54,1073.47 v2(997.76,1082.69)
  SIG03 w5: v2(373.76,542.69) 373.76,483.69 409.76,447.69 929.76,447.69 1029.67,547.6 1029.67,1052.78 999.76,1082.69 v2(997.76,1082.69)
FLASH_IO0: U1.L3 U6.5 | length 250.8
  TOP01 w5: U6.5@353.35,978.29 353.35,994.28 368.56,1009.49 563.79,1009.49 U1.L3@576.58,1022.28
FLASH_IO1: U1.L2 U6.2 | length 727.6
  TOP01 w5: U6.2@252.56,679.09 252.56,627.89 v2(252.76,627.69) ; v2(312.15,1035.08) 538.2,1035.08 U1.L2@550.99,1022.28
  SIG03 w5: v2@257.76,627.69 257.76,827.69 317.15,887.08 v2@317.15,1035.08
FLASH_IO2: U1.K1 U6.3 | length 757.6
  TOP01 w5: v2(302.76,627.69) 302.96,627.89 U6.3@302.96,679.09 ; v2(312.15,1067.69) 334.52,1045.32 522.85,1045.32 U1.K1@525.4,1047.87
  SIG03 w5: v2@307.76,627.69 280.76,654.69 280.76,820.69 336.76,876.69 336.76,1048.08 v2@317.15,1067.69
FLASH_IO3: U1.K2 U6.7 | length 490.4
  TOP01 w5: U6.7@252.56,978.29 252.56,1050.49 313.76,1111.69 v2(466.76,1111.69) ; U1.K2@550.99,1047.87 v1@563.79,1060.66
  BOTT06 w3.5: v1@563.76,1061.3 576.25,1073.79 576.25,1101.2 565.76,1111.69
  BOTT06 w5: v2(466.76,1111.69) 565.76,1111.69 ; v1(563.76,1059.69) v1@563.76,1061.3
FS_DM: U1.C15 U5.6 | length 1165.8
  TOP01 w4.62: U1.C15@883.67,1227.01 892.1,1235.44 995.14,1235.44 996.14,1234.44 1004.11,1234.44 1027.74,1258.07 1080.38,1258.07 1088.44,1250.01 v2(1088.44,1239.28)
  TOP01 w5.78: U5.6@985.36,382.99 985.36,409.57 v2(1009.22,433.43)
  BOTT06 w4.62: v2(1009.22,433.43) 1017.76,441.97 1017.76,910.33 1016.76,911.33 1016.76,919.29 1122.03,1024.56 1122.03,1215.35 1102.04,1235.34 1092.39,1235.34 v2(1088.44,1239.28)
FS_DP: U1.B15 U5.4 | length 1182.2
  TOP01 w4.62: U1.B15@883.67,1252.6 891.21,1245.06 1001.13,1245.06 1016.71,1260.64 1016.71,1262.05 1022.35,1267.69 1084.36,1267.69 1095.27,1256.79 v2(1106.02,1256.79)
  TOP01 w5.78: v2(1034.81,433.43) 1060.16,408.07 U5.4@1060.16,382.99
  BOTT06 w4.62: v2(1034.81,433.43) 1027.38,440.85 1027.38,914.31 1026.38,915.31 1131.65,1020.58 1131.65,1219.33 1106.02,1244.96 v2(1106.02,1256.79)